# Altium PCB Copy of ECU rev B pcb.PcbDoc (part 3 of 5) (continued)
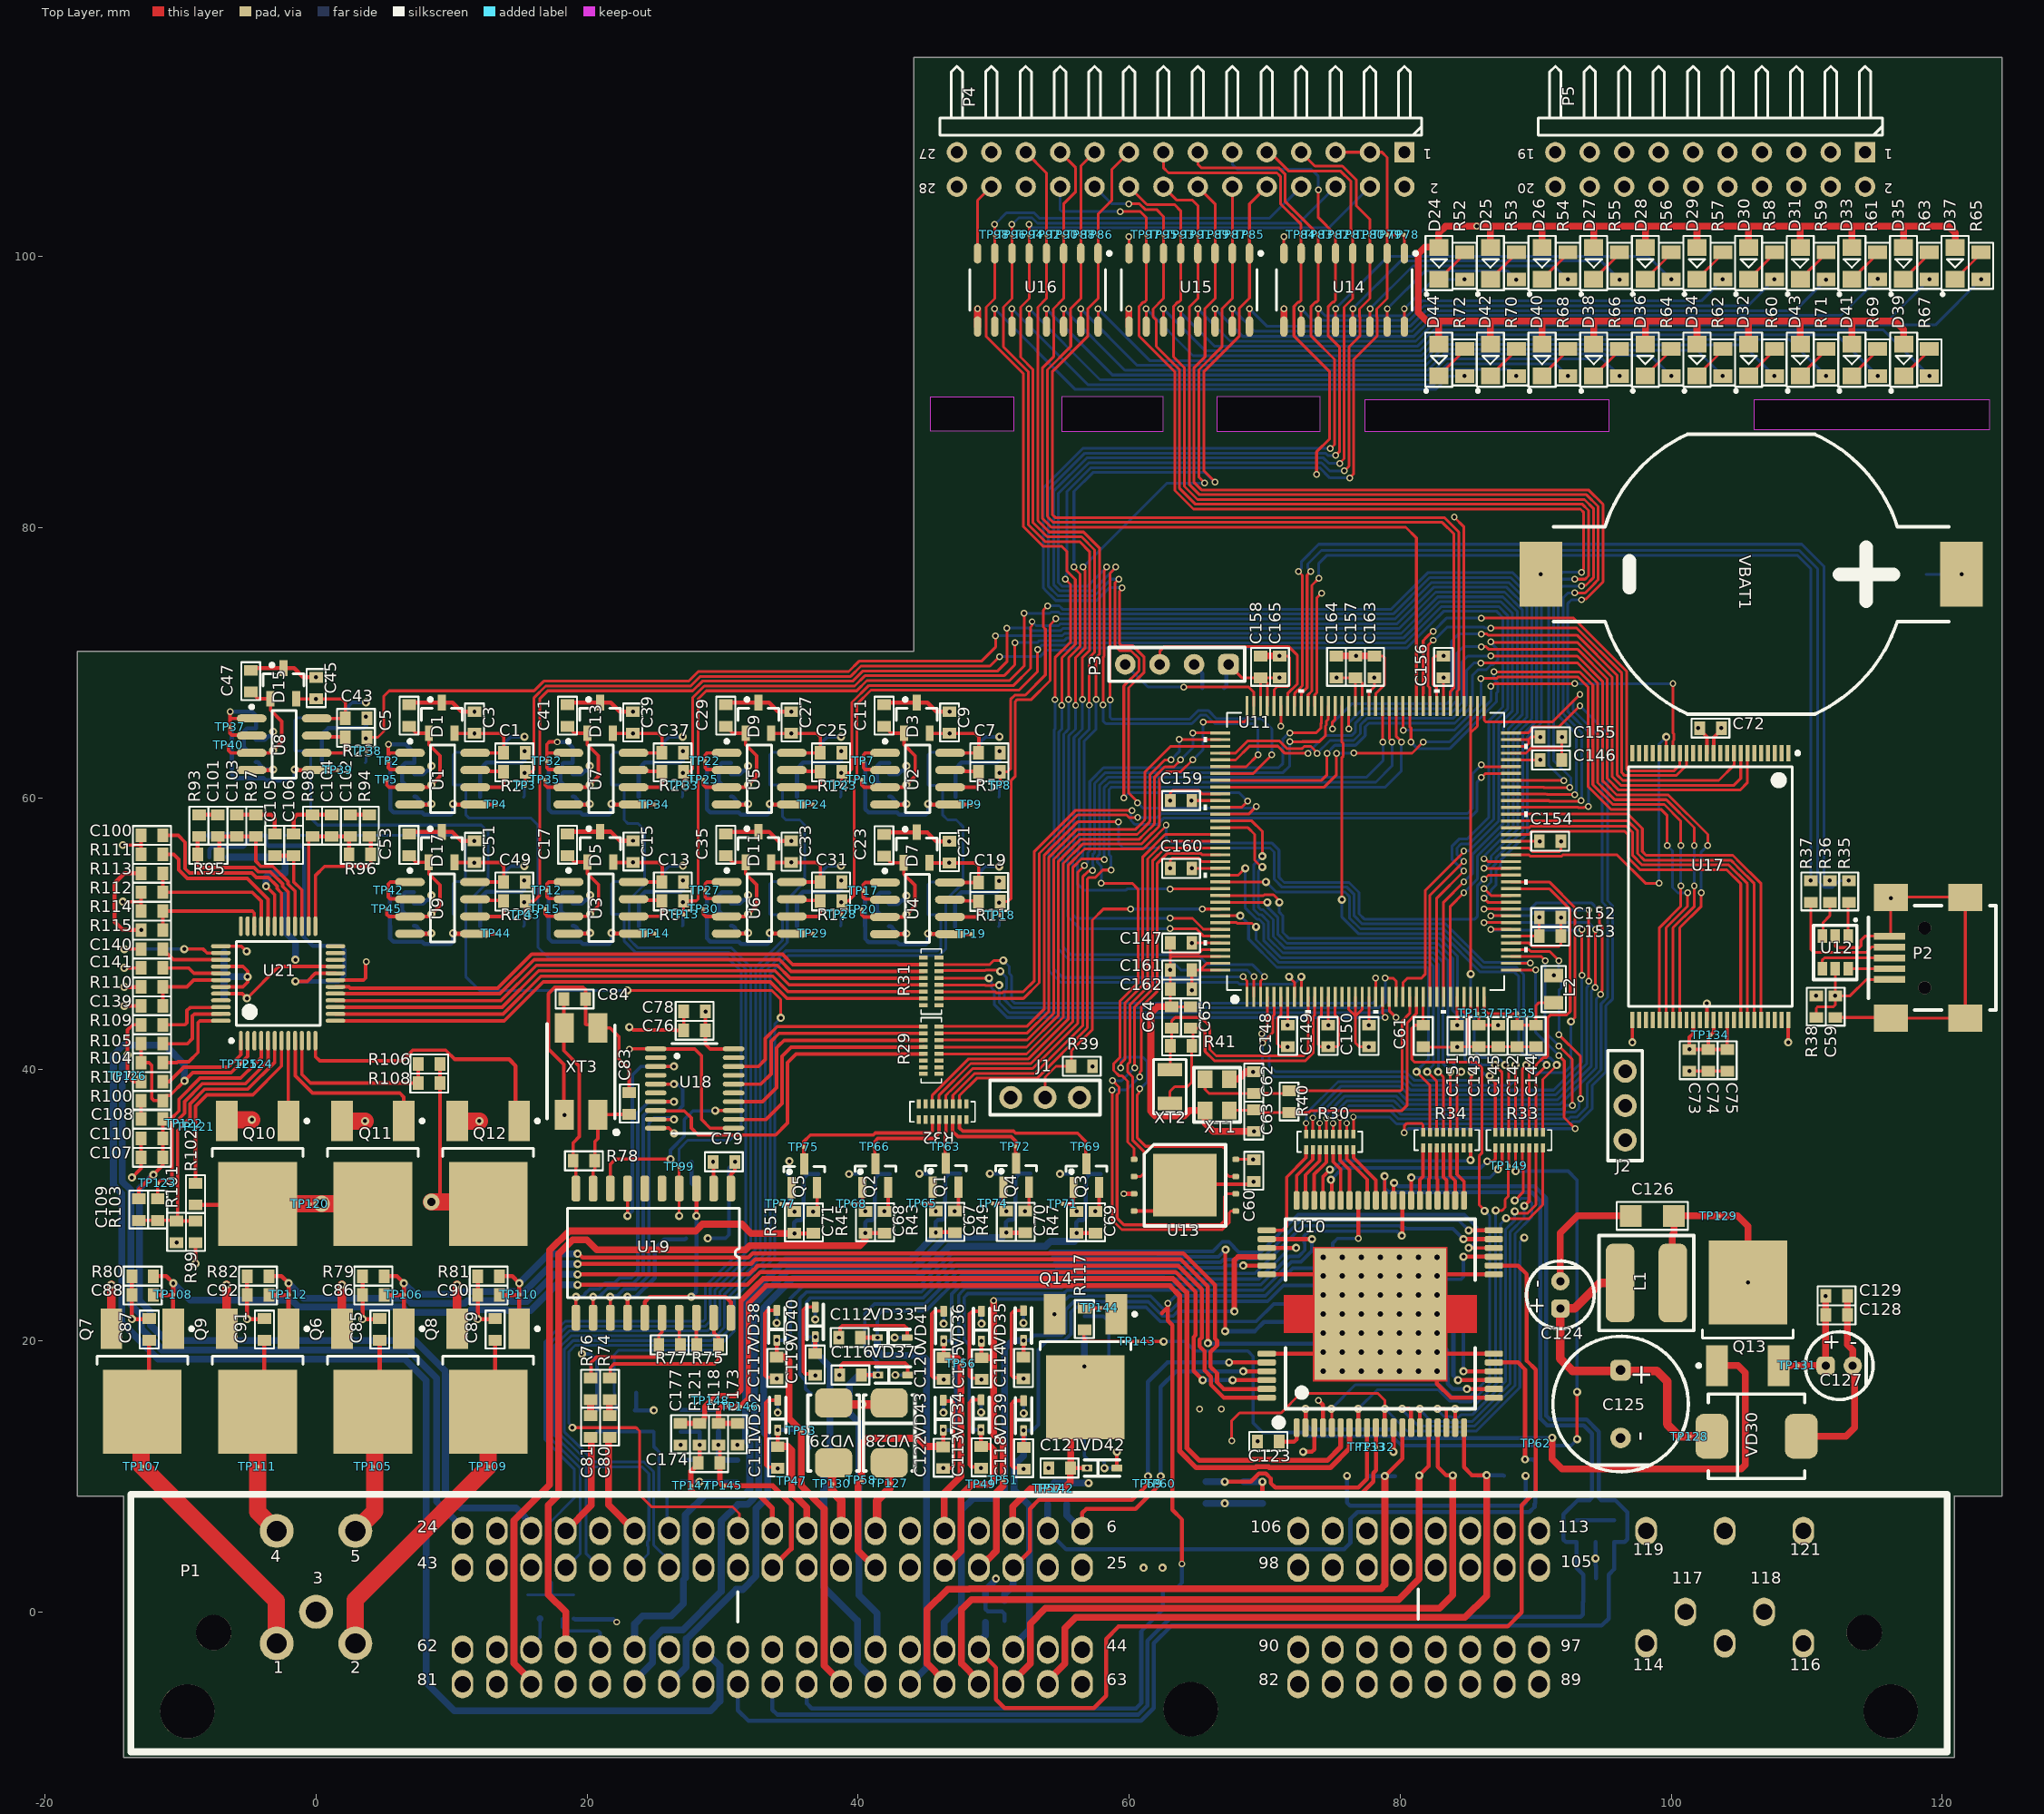
[diagram p0: Top Layer view]
## Nets (pads, with @x,y where several pads share a name; then routed paths per layer and width w, separated by ;. In a path a pad name is that pad's centre, name@x,y a point inside that pad or via, vN(x,y) a via of type N, cw(c..) or ccw(c..) an arc to the next point about the centre after c; other vN are vias at no path point) (continued)
  Top Layer w0.508: C64.2@63.13,44.646 62.1,44.646 61.6,44.146 61.6,36.946 61.694,36.852 61.694,36.827 61.932,36.589 64.068,36.589 64.47,36.991 XT1.3@65.589,36.991 65.589,36.056 66.2,35.446 v1(69.2,35.446) ; XT1.3@67.389,39.291 68.045,39.291 68.6,39.846 C62.2@69.2,39.846 ; XT1.3@67.4,39.601 XT1.3@67.5,39.501 ; C158.1@69.699,70.514 69.869,70.514 69.9,70.546 69.931,70.514 v1(71.099,70.514) ; C164.1@75.299,70.514 C157.1@76.699,70.514 C163.1@78.099,70.514 ; C124.0@91.821,24.384 91.821,27.94 93.091,29.21 C126.1@97.003,29.21 ; VD30.0@109.599,12.954 112.903,12.954 113.538,13.589 113.538,18.018 C127.0@113.395,18.161 113.395,19.32 113.003,19.712 C128.1@113.003,21.91 C129.1@113.003,23.307
  Top Layer w0.635: v1(-15.113,24.13) -15.113,20.896 Q7.3@-15.097,20.88 ; v1(-6.604,24.13) -6.604,20.896 Q9.3@-6.588,20.88 ; Q10.3@-6.604,36.195 Q10.3@-6.223,36.576 ; v1(1.905,24.13) 1.905,20.896 Q6.3@1.921,20.88 ; v1(10.414,24.13) 10.414,20.896 Q8.3@10.43,20.88
  Top Layer w1.27: Q10.3@-6.435,36.364 -6.372,36.302 v1(-4.731,36.302) ; Q11.3@1.921,36.211 v1(3.615,36.211) ; Q12.3@10.43,36.211 v1(12.056,36.211)
  GND w0.508: P1.9@48.91,5.858 P1.9@48.91,5.97 ; v1(69.195,31.745) 70.277,32.827 70.277,34.398 69.388,35.287 69.358,35.287 v1(69.2,35.446)
  GND w0.635: P1.60@15.89,-2.79 15.89,-0.939 16.302,-0.527 ; 20.366,-0.527 21.001,-1.162 21.001,-2.759 P1.58@20.97,-2.79 P1.58@20.965,-2.795
  GND w1.27: P1.3@0,0 P1.3@0.127,0.127 ; 16.302,-0.527 20.366,-0.527 ; v1(20.216,50.077) 20.216,46.027 v1(23.114,43.129)
  Bottom Layer w0.254: P1.60@15.89,-2.79 15.89,-2.513 16.532,-1.871 R28.4@16.532,-0.504 ; R28.2@18.172,-0.504 18.172,-1.144 18.43,-1.402 20.821,-1.402 20.97,-1.551 P1.58@20.97,-2.79
  Bottom Layer w0.305: C95.1@-7.874,55.677 -7.874,56.229 -7.664,56.44 -5.365,56.44 -5.08,56.725 R92.2@-5.08,57.277 C99.1@-3.683,57.277 -3.683,56.694 -3.504,56.515 -1.068,56.515 -0.889,56.336 C98.2@-0.889,55.677 -0.889,50.038 ; R24.4@-4.439,62.677 -4.338,62.677 -4.308,62.647 -4.264,62.647 -4.141,62.524 -4.141,62.48 -3.8,62.139 v1(-3.165,62.139) ; R24.2@-4.439,64.317 -3.781,64.317 -3.513,64.585 -3.413,64.585 -3.165,64.833 v1(-3.165,64.933) ; v1(-1.523,46.508) 1.663,46.508 2.097,46.943 2.097,48.848 1.8,49.146 -0.251,49.146 -0.89,49.785 -0.89,50.037 ; D16.0@0.442,62.647 0.442,64.73 0.899,65.187 3.514,65.187 3.693,65.366 v1(3.693,66.025) ; R27.4@7.239,50.603 7.34,50.603 7.37,50.573 7.414,50.573 7.537,50.45 7.537,50.406 7.878,50.065 v1(8.513,50.065) ; R27.2@7.239,52.243 7.897,52.243 8.166,52.511 8.266,52.511 8.513,52.759 v1(8.513,52.859) ; R3.4@7.245,60.137 7.346,60.137 7.376,60.107 7.42,60.107 7.543,59.984 7.543,59.94 7.884,59.599 v1(8.519,59.599) ; R3.2@7.245,61.777 7.903,61.777 8.171,62.045 8.271,62.045 8.519,62.293 v1(8.519,62.393) ; D18.0@12.12,50.573 12.12,52.656 12.577,53.113 15.193,53.113 15.371,53.291 v1(15.371,53.951) ; D2.0@12.126,60.107 12.126,62.19 12.583,62.647 15.198,62.647 15.377,62.826 v1(15.377,63.485) ; R21.4@18.929,60.137 19.03,60.137 19.06,60.107 19.104,60.107 19.227,59.984 19.227,59.94 19.568,59.599 v1(20.203,59.599) ; R21.2@18.929,61.777 19.587,61.777 19.855,62.045 19.955,62.045 20.203,62.293 v1(20.203,62.393) ; R9.4@18.942,50.615 19.043,50.615 19.073,50.585 19.117,50.585 19.24,50.462 19.24,50.418 19.581,50.077 v1(20.216,50.077) ; R9.2@18.942,52.255 19.6,52.255 19.868,52.523 19.968,52.523 20.216,52.771 v1(20.216,52.871) ; C96.2@23.629,16.156 23.629,14.962 C97.1@23.529,14.862 v1(24.926,14.862) ; D14.0@23.81,60.107 23.81,62.19 24.267,62.647 26.882,62.647 27.061,62.826 v1(27.061,63.485) ; D6.0@23.823,50.585 23.823,52.668 24.28,53.125 26.895,53.125 27.074,53.303 v1(27.074,53.963) ; C175.1@26.9,9.6 26.903,9.597 v1(28.308,9.597) C172.1@29.708,9.597 C171.1@31.105,9.597 ; R18.4@30.613,50.612 30.714,50.612 30.744,50.582 30.788,50.582 30.911,50.459 30.911,50.415 31.252,50.074 v1(31.887,50.074) ; R18.2@30.613,52.252 31.271,52.252 31.539,52.52 31.639,52.52 31.887,52.768 v1(31.887,52.868) ; R15.4@30.613,60.137 30.714,60.137 30.744,60.107 30.788,60.107 30.911,59.984 30.911,59.94 31.252,59.599 v1(31.887,59.599) ; R15.2@30.613,61.777 31.271,61.777 31.539,62.045 31.639,62.045 31.887,62.293 v1(31.887,62.393) ; D12.0@35.494,50.582 35.494,52.665 35.951,53.122 38.566,53.122 38.745,53.301 v1(38.745,53.96) ; D10.0@35.494,60.107 35.494,62.19 35.951,62.647 38.566,62.647 38.745,62.826 v1(38.745,63.485) ; R12.4@42.287,50.576 42.388,50.576 42.418,50.546 42.462,50.546 42.585,50.423 42.585,50.379 42.926,50.038 v1(43.561,50.038) ; R12.2@42.287,52.216 42.945,52.216 43.213,52.484 43.313,52.484 43.561,52.732 v1(43.561,52.832) ; R6.4@42.297,60.137 42.398,60.137 42.428,60.107 42.472,60.107 42.595,59.984 42.595,59.94 42.936,59.599 v1(43.571,59.599) ; R6.2@42.297,61.777 42.955,61.777 43.223,62.045 43.323,62.045 43.571,62.293 v1(43.571,62.393) ; D8.0@47.168,50.546 47.168,52.629 47.625,53.086 50.24,53.086 50.419,53.265 v1(50.419,53.924) ; D4.0@47.178,60.107 47.178,62.19 47.635,62.647 50.25,62.647 50.429,62.826 v1(50.429,63.485) ; C58.1@49.403,0.838 49.403,0.205 49.582,0.027 50.621,0.027 50.8,-0.152 C55.1@50.8,-0.662 ; P3.2@64.793,69.896 64.793,69.817 65.4,69.21 C66.1@65.4,68.146 ; v1(76.076,10.03) C168.1@76.076,8.633 76.073,8.629 76.073,8.053 76.298,7.828 89.038,7.828 89.263,8.053 C167.1@89.263,8.633 v1(89.263,10.03) ; C93.1@94.406,5.145 v1(94.406,3.939) 94.406,3.419 94.439,3.386 U20.3@94.439,2.474
  Bottom Layer w0.508: C137.1@-6.78,45.218 -6.78,46.855 ; C136.1@-6.78,48.669 -6.78,46.855 ; v1(-5.044,46.855) -6.78,46.855 ; R28.4@16.524,-0.511 R28.4@16.532,-0.504 ; P1.54@31.13,-2.79 P1.54@31.138,-2.782 ; C58.1@49.403,0.838 49.403,1.6 50.169,2.366 v1(50.169,2.444) ; 54.483,9.525 54.458,9.5 v1(57,9.5) ; C131.1@65.659,8.002 v1(67.056,8.002) C130.1@68.437,8.002 C132.1@69.834,8.002
  other v1: 61.065,3.26 59.099,11.799 26.9,12.3 31.1,12.3 36.686,29.528 41.931,29.539 57.5,29.541 47.12,29.566 52.321,29.566 18.339,36.652 69.158,39.846 76.733,70.514
  other v2: 65.197,14.967 57.3,40.246 116.2,52.641 102,65.191 90.38,76.546
  other v3: 74.334,17.771 75.734,17.771 77.134,17.771 78.534,17.771 79.934,17.771 81.334,17.771 82.734,17.771 74.334,19.171 77.134,19.171 78.534,19.171 79.934,19.171 82.734,19.171 74.334,20.571 75.734,20.571 78.534,20.571 81.334,20.571 82.734,20.571 74.334,21.971 75.734,21.971 77.134,21.971 79.934,21.971 81.334,21.971 82.734,21.971 74.334,23.371 75.734,23.371 78.534,23.371 81.334,23.371 82.734,23.371 74.334,24.771 77.134,24.771 78.534,24.771 79.934,24.771 82.734,24.771 74.334,26.171 75.734,26.171 77.134,26.171 78.534,26.171 79.934,26.171 81.334,26.171 82.734,26.171
  other v6: 54.495,21.954
"HIP in": C4.2 D2.1 R2.2 TP3.0 U11.29 | length 114.2
  Top Layer w0.203: TP3.0@15.434,60.953 R2.2@15.434,61.97 15.908,61.97 16.088,62.15 16.088,67.437 16.953,68.301 27.647,68.301 28.358,69.012 39.455,69.012 40.211,69.768 49.733,69.768 50.425,70.46 v2(50.444,70.46) ; U11.29@82.699,45.377 82.699,52.649 v2(84.696,54.646)
  Bottom Layer w0.203: D2.1@15.326,60.107 15.377,60.158 v1(15.377,61.885) ; v2(50.444,70.46) 53.412,70.46 53.895,70.942 55.516,70.942 55.693,71.12 80.518,71.12 81.944,72.546 81.944,72.548 82.24,72.843 83.205,73.808 87.126,73.808 87.579,73.355 87.579,66.761 86.551,65.733 86.551,58.621 84.935,57.005 84.34,57.005 83.836,56.502 83.836,55.492 84.683,54.646 v2(84.696,54.646)
"HIP INT": R29.9 U18.18 | length 16.1
  Top Layer w0.254: U18.18@30.815,40.233 32.639,40.233 33.147,40.741 33.147,42.291 34.036,43.18 R29.9@44.824,43.18
"HIP SCK": R29.12 U18.12 | length 18.3
  Top Layer w0.254: U18.12@30.815,36.333 31.231,36.333 31.242,36.322 33.21,36.322 34.392,37.503 34.392,40.996 35.052,41.656 44.505,41.656 44.506,41.657 44.801,41.657 R29.12@44.824,41.68
"HIP sensor": C2.2 R1.1 TP1.0 TP99.0 U19.4 VD1.2 | length 62.6
  Top Layer w0.203: v1(26.797,29.21) 26.797,31.227 U19.4@26.8,31.23 26.8,31.747 26.797,31.75 TP99.0@26.797,32.821
  Bottom Layer w0.203: VD1.2@11.737,63.409 TP1.0@11.017,63.409 10.297,63.409 10.119,63.231 C2.2@10.119,62.393 R1.1@10.119,60.996 10.759,60.996 11.049,60.706 11.049,58.801 11.303,58.547 15.875,58.547 16.383,58.039 16.383,49.022 17.145,48.26 30.363,48.26 31.369,47.254 31.369,35.63 30.537,34.798 27.432,34.798 26.797,34.163 v1(26.797,29.21)
"HIP SI": R29.10 U18.16 | length 17
  Top Layer w0.254: U18.16@30.815,38.933 32.837,38.933 33.579,39.675 33.579,42.088 34.171,42.68 R29.10@44.824,42.68
"HIP SO": R29.11 U18.14 | length 17.6
  Top Layer w0.254: U18.14@30.815,37.633 32.954,37.633 33.985,38.664 33.985,41.599 34.163,41.777 34.163,41.783 34.544,42.164 44.808,42.164 R29.11@44.824,42.18
"I Ign1": R33.16 U10.19 | length 24.8
  Top Layer w0.203: v1(87.82,29.036) 87.864,28.992 89.485,28.992 90.523,30.03 R33.16@90.523,34.223
  Top Layer w0.254: U10.19@84.059,13.589 v1@84.059,14.889
  Bottom Layer w0.203: v1@84.059,14.889 85.158,14.889 87.409,17.139 87.409,28.625 v1@87.666,28.882
  other v1: 84.059,14.986
"I Ign2": R33.15 U10.18 | length 27.3
  Top Layer w0.203: v1(88.453,29.546) 88.607,29.392 89.382,29.392 90.02,30.03 90.02,34.236 90.023,34.233 R33.15@90.023,34.223
  Top Layer w0.254: v1(82.759,14.986) 83.26,14.986 83.409,14.837 U10.18@83.409,13.589
  Bottom Layer w0.203: v1@82.759,14.889 83.246,14.402 83.763,14.402 83.83,14.335 84.288,14.335 84.487,14.533 85.306,14.533 87.764,16.992 87.764,28.197 88.453,28.886 v1(88.453,29.546)
"I Ign3": R33.14 U10.15 | length 27.5
  Top Layer w0.254: U10.15@81.459,13.589 v1@81.459,14.889 ; v1(89.153,29.946) 89.523,30.316 R33.14@89.523,34.223
  Bottom Layer w0.203: v1@81.459,14.889 82.302,14.046 83.615,14.046 83.682,13.979 84.436,13.979 84.503,14.046 85.321,14.046 88.12,16.845 88.12,28.039 89.153,29.072 v1(89.153,29.946)
  other v1: 81.459,14.986
"I Ign4": R33.13 U10.14 | length 31.7
  Top Layer w0.203: v1(88.453,30.346) 89.073,30.966 89.073,32.741 89.02,32.794 89.02,34.236 89.023,34.233 R33.13@89.023,34.223
  Top Layer w0.305: v1(80.159,14.986) 80.169,14.996 80.63,14.996 80.809,14.818 U10.14@80.809,13.589
  Bottom Layer w0.203: v1@80.159,14.889 81.357,13.691 83.468,13.691 83.535,13.624 84.583,13.624 84.65,13.691 85.469,13.691 88.475,16.697 88.475,27.891 89.707,29.123 89.707,30.175 89.382,30.5 88.924,30.5 88.836,30.412 88.519,30.412 v1(88.453,30.346)
"I Ing1": R33.10 U10.39 | length 10
  Top Layer w0.254: U10.39@80.809,30.353 80.809,30.425 80.82,30.436 v1(80.82,32.036) ; v1(87.22,32.636) 87.523,32.939 R33.10@87.523,34.223
  Bottom Layer w0.254: v1(80.82,32.036) 86.62,32.036 v1(87.22,32.636)
"I Ing2": R33.9 U10.48 | length 15.2
  Top Layer w0.254: v1@74.822,31.934 v1(74.888,31.867) 74.888,31.774 74.959,31.703 U10.48@74.959,30.353 ; v1(86.42,33.236) 86.867,33.236 87.02,33.389 87.02,34.22 R33.9@87.023,34.223
  Bottom Layer w0.254: v1(74.888,31.867) 75.767,32.746 85.93,32.746 v1(86.42,33.236)
"I Inj3": R34.10 U10.37 | length 3.9
  Top Layer w0.254: U10.37@82.109,30.353 82.109,31.925 82.189,32.005 R34.10@82.189,34.223
"I Inj4": R34.11 U10.36 | length 3.9
  Top Layer w0.254: R34.11@82.689,34.223 82.689,31.967 82.759,31.897 U10.36@82.759,30.353
"I O2": R34.13 U10.34 | length 4
  Top Layer w0.254: R34.13@83.689,34.223 83.689,32.167 84.059,31.797 U10.34@84.059,30.353
"I O2_1": R34.14 U10.33 | length 4.1
  Top Layer w0.254: R34.14@84.189,34.223 84.189,32.267 84.709,31.747 U10.33@84.709,30.353
"I Starter": R34.12 U10.35 | length 4
  Top Layer w0.254: R34.12@83.189,34.223 83.189,32.067 83.42,31.836 83.42,30.364 U10.35@83.409,30.353
"I StepMotor": R34.16 U10.49 | length 14
  Top Layer w0.254: U10.49@74.309,30.353 74.309,32.125 74.801,32.617 v1(74.819,32.617) ; v1(85.189,33.325) R34.16@85.189,34.223
  Bottom Layer w0.254: v1(74.819,32.617) 74.885,32.684 75.13,32.684 75.713,33.267 85.131,33.267 v1(85.189,33.325)
Ign1: C86.2 Q6.1 R79.2 TP106.0 U10.22 | length 96.3
  Top Layer w0.305: C86.2@5.029,23.368 6.451,23.368 TP106.0@6.481,23.398 ; R79.2@5.029,24.765 5.969,24.765 v1(6.487,24.247) TP106.0@6.487,23.404 TP106.0@6.481,23.398 ; Q6.1@6.481,20.88 TP106.0@6.481,23.398 ; v1@19.304,25.679 32.075,25.679 32.098,25.679 32.416,25.998 51.708,25.998 63.806,25.998 65.815,23.988 v1(65.815,19.825) ; v1(84.925,16.445) 84.926,16.446 U10.22@86.916,16.446
  Bottom Layer w0.305: v1(65.815,19.825) 65.864,19.776 82.985,19.776 83.47,19.291 83.47,17.254 83.495,17.228 83.495,16.835 83.889,16.441 84.141,16.441 84.145,16.445 v1(84.925,16.445)
  Bottom Layer w0.508: v1(6.487,24.247) 7.31,23.424 10.707,23.424 10.905,23.622 14.622,23.622 14.703,23.541 15.289,23.541 17.402,25.654 v1(19.304,25.654) v1@19.34,25.654
Ign2: C88.2 Q7.1 R80.2 TP108.0 U10.62 | length 96.3
  Top Layer w0.305: C88.2@-11.989,23.368 -10.567,23.368 TP108.0@-10.537,23.398 ; R80.2@-11.989,24.765 -11.049,24.765 v1(-10.531,24.247) TP108.0@-10.531,23.404 TP108.0@-10.537,23.398 ; Q7.1@-10.537,20.88 TP108.0@-10.537,23.398 ; v1(19.304,24.13) 31.819,24.13 32.454,24.765 32.477,24.765 32.795,25.083 52.087,25.083 63.427,25.083 64.901,23.61 64.901,20.412 64.753,20.265 64.753,17.767 v1(65.425,17.095) ; v1(67.635,17.095) 67.636,17.096 U10.62@70.152,17.096
  Bottom Layer w0.305: v1(65.425,17.095) v1(67.635,17.095)
  Bottom Layer w0.508: v1(-10.531,24.247) -9.271,22.987 -1.778,22.987 -1.27,22.479 6.387,22.479 6.768,22.098 11.249,22.098 11.452,22.301 14.075,22.301 14.156,22.22 15.836,22.22 17.746,24.13 v1(19.304,24.13)
Ign3: C90.2 Q8.1 R81.2 TP110.0 U10.63 | length 71.5
  Top Layer w0.305: C90.2@13.538,23.368 14.96,23.368 TP110.0@14.99,23.398 ; R81.2@13.538,24.765 14.478,24.765 v1(14.996,24.247) TP110.0@14.996,23.404 TP110.0@14.99,23.398 ; Q8.1@14.99,20.88 TP110.0@14.99,23.398 ; v1(19.304,26.416) 19.384,26.416 19.541,26.259 19.555,26.259 19.677,26.137 31.909,26.137 32.227,26.455 63.995,26.455 66.272,24.178 66.335,24.115 66.335,20.16 66.487,20.008 66.487,19.642 66.012,19.167 66.012,18.068 66.487,17.593 66.487,16.943 66.984,16.446 U10.63@70.152,16.446
  Bottom Layer w0.508: v1(14.996,24.247) 17.165,26.416 v1(19.304,26.416)
Ign4: C92.2 Q9.1 R82.2 TP112.0 U10.64 | length 88.4
  Top Layer w0.305: C92.2@-3.48,23.368 -2.058,23.368 TP112.0@-2.028,23.398 ; R82.2@-3.48,24.765 -2.54,24.765 v1(-2.022,24.247) TP112.0@-2.022,23.404 TP112.0@-2.028,23.398 ; Q9.1@-2.028,20.88 TP112.0@-2.028,23.398 ; v1(19.304,24.892) 31.935,24.892 32.029,24.986 32.265,25.222 32.287,25.222 32.606,25.541 51.897,25.541 63.616,25.541 65.358,23.799 65.358,20.223 65.21,20.076 65.21,19.574 65.555,19.23 65.555,17.82 66.03,17.346 66.03,16.754 66.989,15.795 U10.64@70.151,15.795
  Bottom Layer w0.508: v1(-2.022,24.247) -0.914,23.139 6.661,23.139 6.92,22.88 7.037,22.763 10.98,22.763 11.179,22.962 14.348,22.962 14.43,22.88 15.562,22.88 17.574,24.892 v1(19.304,24.892)
Inj1: C55.2 P1.27 TP59.0 U10.60 | length 33.9
  Top Layer w0.305: P1.27@51.45,3.26 52.685,4.495 52.685,7.605 53.335,8.255 60.225,8.255 61.392,9.422 v1(61.392,10.008) ; v1(67.375,18.395) v1(67.375,18.395) U10.60@70.152,18.396
  Bottom Layer w0.305: v1(61.392,10.008) 61.392,16.962 62.825,18.395 v1(67.375,18.395)
  Bottom Layer w0.508: C55.2@50.8,0.838 50.8,1.305 51.45,1.955 P1.27@51.45,3.26
Inj2: C57.2 P1.6 TP60.0 U10.61 | length 25.9
  Top Layer w0.305: P1.6@56.53,5.97 56.53,7.29 56.845,7.605 60.485,7.605 62.332,9.452 v1(62.332,10.008) ; v1(68.415,17.745) 68.416,17.746 U10.61@70.152,17.746
  Bottom Layer w0.305: v1(62.332,10.008) 62.332,16.602 63.475,17.745 v1(68.415,17.745)
  Bottom Layer w0.508: C57.2@55.38,7.925 55.38,7.12 P1.6@56.53,5.97
Inj3: C56.2 P1.7 TP61.0 U10.25 | length 54.1
  Top Layer w0.305: U10.25@86.916,18.396 88.694,18.396 89.215,17.875 v1(89.215,11.245)
  Bottom Layer w0.305: P1.7@53.99,5.97 55.345,4.615 75.862,4.615 76.327,5.08 76.327,6.858 76.835,7.366 89.535,7.366 89.916,7.747 89.916,7.954 89.968,8.006 89.968,11.066 89.789,11.245 v1(89.215,11.245)
  Bottom Layer w0.508: C56.2@53.983,7.925 53.983,6.508 53.99,6.515 P1.7@53.99,5.97
Inj4: C58.2 P1.47 TP62.0 U10.28 | length 79.2
  Top Layer w0.305: P1.47@48.91,-2.79 48.91,-2.835 50.18,-4.105 50.18,-6.461 50.804,-7.085 57.408,-7.085 58.297,-6.196 58.297,-2.005 59.216,-1.086 87.915,-1.086 88.955,-0.046 88.955,7.865 89.995,8.905 89.995,17.875 89.345,18.525 89.345,24.895 88.695,25.545 87.005,25.545 87.004,25.546 U10.28@86.916,25.546
  Bottom Layer w0.508: P1.47@48.895,-2.794 48.895,-2.26 49.403,-1.752 C58.2@49.403,-0.762
  Bottom Layer w0.635: P1.47@48.895,-2.794 48.899,-2.79 P1.47@48.91,-2.79
K-line: C94.2 P1.71 R85.1 TP115.0 U10.45 | length 80.4
  Top Layer w0.305: 62.408,22.022 62.865,22.479 ; v2(62.865,22.758) 62.865,22.479 ; v2(63.906,3.531) 63.906,6.807 63.195,7.518 63.195,21.163 62.865,21.493 62.865,22.479 ; U10.45@76.909,30.353 76.909,30.224 76.886,30.201 76.91,30.176 76.91,27.546 v2(76.911,27.545) 76.911,27.965
  Bottom Layer w0.254: v2(62.865,22.758) 63.425,23.319 70.055,23.319 72.085,25.349 74.093,25.349 74.094,25.35 74.677,25.35 75.032,25.705 75.032,27.203 75.373,27.545 76.897,27.545 v2@76.911,27.559
  Bottom Layer w0.305: P1.71@36.21,-5.33 36.21,-6.748 36.588,-7.126 60.499,-7.126 60.898,-6.727 TP115.0@60.898,-1.426 62.473,0.15 62.473,1.648 R85.1@62.462,1.66 ; C94.2@61.065,1.66 R85.1@62.462,1.66 ; v2(63.906,3.531) 63.906,2.159 63.407,1.66 R85.1@62.462,1.66 ; v2(76.911,27.545) v2@76.911,27.559
KnockS1: C80.2 P1.19 | length 7.6
  Top Layer w0.508: C80.2@21.59,12.794 21.59,7.89 P1.19@23.51,5.97
KnockS2: C81.2 P1.21 | length 7.6
  Top Layer w0.508: P1.21@18.43,5.97 20.32,7.86 C81.2@20.32,12.805
L9DIN: R30.12 U10.50 | length 4.1
  Top Layer w0.254: U10.50@73.659,30.353 73.659,32.275 74.24,32.856 74.24,32.857 74.553,33.171 R30.12@74.553,34.096
L9DO: R30.10 U10.52 | length 4.2
  Top Layer w0.254: U10.52@72.359,30.353 72.359,32.175 73.553,33.369 R30.10@73.553,34.096
L9SCK: R30.11 U10.51 | length 4.2
  Top Layer w0.254: U10.51@73.009,30.353 73.02,30.364 73.02,32.236 74.053,33.269 R30.11@74.053,34.096
Lambda1: C46.2 D16.1 R23.2 TP38.0 U11.30 | length 125.1
  Top Layer w0.203: TP38.0@3.75,63.493 R23.2@3.75,64.51 4.564,64.51 5,64.946 5,67.546 5.4,67.946 16.094,67.946 16.805,68.657 27.5,68.657 28.211,69.368 39.308,69.368 40.064,70.124 49.098,70.124 50.14,71.165 v2(50.14,72.009) ; U11.30@83.199,45.377 U11.30@83.199,45.377 83.2,52.35 v2(84.696,53.846) v2@84.7,53.846
  Bottom Layer w0.203: D16.1@3.642,62.647 3.693,62.698 v1(3.693,64.425) ; v2(50.14,72.009) 55.074,72.009 55.175,72.111 55.252,72.187 56.337,72.187 80.075,72.187 82.763,74.875 87.568,74.875 88.646,73.797 88.646,66.319 87.618,65.291 87.618,58.179 85.34,55.902 85.34,54.49 v2(84.696,53.846)
Lambda2: C52.2 D18.1 R26.2 TP43.0 U11.31 | length 127.2
  Top Layer w0.203: TP43.0@15.428,51.419 R26.2@15.428,52.436 16.09,52.436 16.5,52.846 16.5,61.207 16.497,61.21 16.497,61.544 16.5,61.547 16.5,67.346 17.1,67.946 27.794,67.946 28.505,68.657 39.603,68.657 40.358,69.412 50.312,69.412 50.978,70.079 v2(50.978,72.568) ; U11.31@83.699,45.377 83.699,45.645 83.7,45.646 83.7,48.34 ; 83.7,48.346 83.7,52.05 v2(84.696,53.046)
  Bottom Layer w0.203: D18.1@15.32,50.573 15.371,50.624 v1(15.371,52.351) ; v2(50.978,72.568) 52.602,72.568 52.78,72.39 54.952,72.39 55.104,72.542 56.286,72.542 79.927,72.542 82.616,75.231 87.715,75.231 89.002,73.944 89.002,66.172 87.974,65.144 87.974,58.032 85.696,55.754 85.696,54.637 85.7,54.633 85.7,54.246 85.696,54.242 85.696,54.057 84.696,53.057 v2(84.696,53.046)
"Lambda sensor": C97.2 P1.18 R87.2 R88.1 R89.1 TP116.0 | length 12.6
  Bottom Layer w0.254: R87.2@20.735,13.262 20.773,13.3 22.132,13.3 23.529,13.3 24.888,13.3 R89.1@24.926,13.262 24.926,12.189 25.021,12.093 25.021,12.088 25.301,11.809 25.301,8.572 25.759,8.572 25.908,8.423 25.908,5.892 P1.18@26,5.8
  Bottom Layer w0.508: P1.18@26,5.8 26.05,5.85 P1.18@26.05,5.97
"Lambda sensor 2": C99.2 R86.1 R90.2 R91.1 R92.1 TP118.0 U21.31 | length 10.8
  Top Layer w0.254: v1@-3.694,53.517 v1(-3.685,53.526) -3.044,52.885 -3.044,52.566 -3.048,52.562 -3.048,52.07 -3.044,52.066 U21.31@-3.044,50.58
  Bottom Layer w0.508: R86.1@-6.477,55.677 -5.285,55.677 -5.268,55.66 -5.25,55.677 R92.1@-5.08,55.677 C99.2@-3.683,55.677 R91.1@-2.286,55.677 R90.2@-2.286,54.483 -2.413,54.483 -3.385,54.483 TP118.0@-3.535,54.333 -3.685,54.183 v1(-3.685,53.526)
LmPW: R31.14 U21.14 | length 45
  Top Layer w0.254: U21.14@1.431,44.105 13.812,44.105 16.596,46.888 33.696,46.888 34.833,45.752 R31.14@44.824,45.752
LmSCK: R31.12 U21.16 | length 44.9
  Top Layer w0.254: U21.16@1.431,45.105 1.44,45.096 2.047,45.096 2.059,45.085 13.643,45.085 16.259,47.701 34.033,47.701 34.998,46.736 44.808,46.736 R31.12@44.824,46.752
LmSI: R31.11 U21.17 | length 44.8
  Top Layer w0.254: U21.17@1.431,45.605 2.338,45.605 2.349,45.594 13.577,45.594 16.091,48.108 34.201,48.108 35.065,47.244 44.816,47.244 R31.11@44.824,47.252
LmSO: R31.13 U21.15 | length 44.9
  Top Layer w0.254: U21.15@1.431,44.605 13.738,44.605 16.427,47.295 33.865,47.295 34.907,46.252 R31.13@44.824,46.252
LmSY: R31.15 U21.13 | length 45.1
  Top Layer w0.254: U21.13@1.431,43.605 13.887,43.605 16.764,46.482 33.528,46.482 34.758,45.252 R31.15@44.824,45.252
MAF: C22.2 D8.1 R11.2 TP18.0 U11.52 | length 86.1
  Top Layer w0.203: TP18.0@50.476,51.392 R11.2@50.476,52.409 51.063,52.409 51.3,52.646 51.3,61.346 51.6,61.646 51.6,67.16 51.719,67.279 52.75,67.279 54.174,68.703 54.174,72.818 54.585,73.228 v2(54.585,73.254) ; v2(86.2,54.846) U11.52@88.168,54.846
  Bottom Layer w0.203: D8.1@50.368,50.546 50.419,50.597 v1(50.419,52.324) ; v2(54.585,73.254) 79.633,73.254 82.321,75.942 88.01,75.942 89.713,74.239 89.713,65.877 88.685,64.849 88.685,57.737 87.427,56.479 87.427,56.472 86.704,55.75 86.704,55.337 86.213,54.846 v2(86.2,54.846)
"MAF sensor": C20.2 P1.37 R10.1 TP16.0 VD4.2 | length 82.3
  Bottom Layer w0.203: P1.37@26.05,3.26 26.05,3.795 24.92,4.925 24.92,10.338 24.208,11.049 20.569,11.049 18.867,12.751 18.857,12.751 18.313,13.294 18.313,19.345 18.984,20.015 29.169,20.015 30.15,20.996 30.15,23.434 33.147,26.431 33.147,47.244 34.671,48.768 45.847,48.768 46.101,49.022 46.101,51.316 45.982,51.435 R10.1@45.212,51.435 ; R10.1@45.161,51.435 C20.2@45.161,52.832 45.161,53.67 45.339,53.848 TP16.0@46.059,53.848 VD4.2@46.779,53.848
MainVoltage: C16.2 D6.1 R8.2 TP13.0 U11.48 | length 112.3
  Top Layer w0.203: TP13.0@27.131,51.431 R8.2@27.131,52.448 28.062,52.448 28.181,52.567 28.181,67.327 28.8,67.946 39.897,67.946 40.653,68.701 51.175,68.701 52.248,69.774 v2(52.248,73.66) ; v2(86.2,53.346) 86.7,52.846 U11.48@88.168,52.846
  Bottom Layer w0.203: D6.1@27.023,50.585 27.074,50.636 v1(27.074,52.363) ; v2(52.248,73.66) 54.147,73.66 54.245,73.758 54.793,73.758 54.942,73.609 79.485,73.609 82.174,76.298 88.157,76.298 90.068,74.386 90.068,65.73 89.04,64.702 89.04,57.583 87.06,55.602 87.06,55.19 86.704,54.834 86.704,53.837 86.213,53.346 v2(86.2,53.346)
MAP: C28.2 D10.1 R14.2 TP23.0 U11.53 | length 86.7
  Top Layer w0.203: v1(38.745,61.885) 38.802,61.942 R14.2@38.802,61.97 ; TP23.0@38.802,60.953 38.802,61.909 39.304,61.909 39.544,62.15 39.544,67.09 40.8,68.346 40.9,68.346 51.48,68.346 52.734,69.6 52.734,72.648 52.832,72.746 v2(52.832,73.05) ; v2(86.2,55.546) 86.28,55.546 86.48,55.346 U11.53@88.168,55.346
  Bottom Layer w0.203: D10.1@38.694,60.107 38.745,60.158 v1(38.745,61.885) ; v2(52.832,73.05) 53.137,72.746 54.805,72.746 54.957,72.898 79.78,72.898 82.468,75.586 87.862,75.586 89.357,74.092 89.357,66.025 88.329,64.997 88.329,57.885 86.257,55.812 86.257,55.602 v2(86.2,55.546)
"MAP sensor": C26.2 P1.38 R13.1 TP21.0 VD5.2 | length 82.5
  Bottom Layer w0.203: P1.38@23.51,3.26 24.511,4.261 24.511,4.831 24.464,4.878 24.464,5.184 24.564,5.283 24.564,10.191 24.061,10.693 20.422,10.693 18.72,12.395 18.71,12.395 17.958,13.147 17.958,19.492 18.837,20.371 29.022,20.371 29.794,21.143 29.794,23.581 32.791,26.578 32.791,47.402 34.773,49.383 34.773,52.553 36.068,53.848 36.068,58.039 35.687,58.42 34.671,58.42 34.417,58.674 34.417,60.706 34.127,60.996 R13.1@33.487,60.996 C26.2@33.487,62.393 33.487,63.231 33.665,63.409 TP21.0@34.385,63.409 VD5.2@35.105,63.409
MRD: C111.2 P1.14 TP47.0 VD10.0 VD16.2 VD32.1 | length 12.5
  Top Layer w0.254: P1.14@36.205,5.878 36.21,5.883 P1.14@36.21,5.97
  Top Layer w0.305: C111.2@34.07,12.183 v2(34.07,13.417)
  Top Layer w0.508: C111.2@34.07,12.183 34.088,12.2 34.8,12.2 35.1,11.9 ; 35.1,11.885 35.1,8.8 36.205,7.695 P1.14@36.205,5.878
  Bottom Layer w0.305: v2(34.07,13.417) 36.183,13.417 36.4,13.2 VD10.0@36.4,12.1
NCE: U11.95 U17.9 | length 47.2
  Top Layer w0.203: v2(75,65.146) 75,65.646 75.199,65.845 U11.95@75.199,66.814 ; v2(85.979,72.136) 86.004,72.161 86.03,72.136 86.409,72.136 86.489,72.056 93.041,72.056 95.998,69.099 95.998,61.76 96.422,61.335 103.508,61.335 104.631,62.458 U17.9@104.631,63.352
  Bottom Layer w0.203: v2(75,65.146) 75,65.577 76.403,66.98 83.434,66.98 83.795,67.34 83.795,71.611 84.32,72.136 v2(85.979,72.136)
NetC5_2: C5.2 D1.3 R1.2 TP5.0 U1.3 | length 9.6
  Top Layer w0.254: TP5.0@5.217,61.377 5.217,60.996 5.386,60.827 U1.3@6.938,60.827 8.256,60.827 ; C5.2@6.868,65.314 6.968,65.314 7.241,65.041 7.241,64.973 7.39,64.824 D1.3@8.331,64.824 8.331,63.978 9.154,63.155 9.154,61.631 v1(8.519,60.996)
NetC6_2: C6.2 R3.5 R3.6 R3.7 R3.8 TP4.0 U1.5 | length 12.1
  Top Layer w0.254: U1.5@11.738,59.557 TP4.0@13.291,59.557
  Top Layer w0.305: v1(10.119,59.599) 10.161,59.557 U1.5@11.738,59.557
  Bottom Layer w0.305: R3.8@5.475,62.617 5.475,62.524 5.471,62.52 5.471,60.141 R3.5@5.475,60.137 5.475,59.214 5.725,58.964 7.823,58.964 7.993,58.794 9.94,58.794 10.119,58.973 v1(10.119,59.599)
NetC11_2: C11.2 D3.3 R4.2 TP10.0 U2.3 | length 9.6
  Top Layer w0.254: TP10.0@40.269,61.377 40.269,60.996 40.438,60.827 U2.3@41.99,60.827 43.308,60.827 ; C11.2@41.92,65.314 42.02,65.314 42.293,65.041 42.293,64.973 42.442,64.824 D3.3@43.383,64.824 43.383,63.978 44.206,63.155 44.206,61.631 v1(43.571,60.996)
NetC12_2: C12.2 R6.5 R6.6 R6.7 R6.8 TP9.0 U2.5 | length 12.1
  Top Layer w0.254: U2.5@46.79,59.557 TP9.0@48.343,59.557
  Top Layer w0.305: v1(45.171,59.599) 45.213,59.557 U2.5@46.79,59.557
  Bottom Layer w0.305: R6.8@40.527,62.617 40.527,62.524 40.523,62.52 40.523,60.141 R6.5@40.527,60.137 40.527,59.214 40.777,58.964 42.875,58.964 43.045,58.794 44.992,58.794 45.171,58.973 v1(45.171,59.599)
NetC17_2: C17.2 D5.3 R7.2 TP15.0 U3.3 | length 9.6
  Top Layer w0.254: TP15.0@16.914,51.855 16.914,51.474 17.083,51.305 U3.3@18.635,51.305 19.953,51.305 ; C17.2@18.565,55.792 18.665,55.792 18.938,55.519 18.938,55.45 19.087,55.302 D5.3@20.028,55.302 20.028,54.456 20.851,53.633 20.851,52.109 v1(20.216,51.474)
NetC18_2: C18.2 R9.5 R9.6 R9.7 R9.8 TP14.0 U3.5 | length 12.1
  Top Layer w0.254: U3.5@23.435,50.035 TP14.0@24.988,50.035
  Top Layer w0.305: v1(21.816,50.077) 21.858,50.035 U3.5@23.435,50.035
  Bottom Layer w0.305: R9.8@17.172,53.095 17.172,53.002 17.168,52.998 17.168,50.619 R9.5@17.172,50.615 17.172,49.692 17.422,49.442 19.52,49.442 19.69,49.272 21.637,49.272 21.816,49.45 v1(21.816,50.077)
NetC23_2: C23.2 D7.3 R10.2 TP20.0 U4.3 | length 9.6
  Top Layer w0.254: TP20.0@40.259,51.816 40.259,51.435 40.428,51.266 U4.3@41.98,51.266 43.298,51.266 ; C23.2@41.91,55.753 42.01,55.753 42.283,55.48 42.283,55.412 42.432,55.263 D7.3@43.373,55.263 43.373,54.417 44.196,53.594 44.196,52.07 v1(43.561,51.435)
NetC24_2: C24.2 R12.5 R12.6 R12.7 R12.8 TP19.0 U4.5 | length 12.1
  Top Layer w0.254: U4.5@46.78,49.996 TP19.0@48.333,49.996
  Top Layer w0.305: v1(45.161,50.038) 45.203,49.996 U4.5@46.78,49.996
  Bottom Layer w0.305: R12.8@40.517,53.056 40.517,52.963 40.513,52.959 40.513,50.58 R12.5@40.517,50.576 40.517,49.653 40.767,49.403 42.865,49.403 43.035,49.233 44.982,49.233 45.161,49.412 v1(45.161,50.038)
NetC29_2: C29.2 D9.3 R13.2 TP25.0 U5.3 | length 9.6
  Top Layer w0.254: TP25.0@28.585,61.377 28.585,60.996 28.754,60.827 U5.3@30.306,60.827 31.624,60.827 ; C29.2@30.236,65.314 30.336,65.314 30.609,65.041 30.609,64.973 30.758,64.824 D9.3@31.699,64.824 31.699,63.978 32.522,63.155 32.522,61.631 v1(31.887,60.996)